# KiCad board keyboard.kicad_pcb (continued)
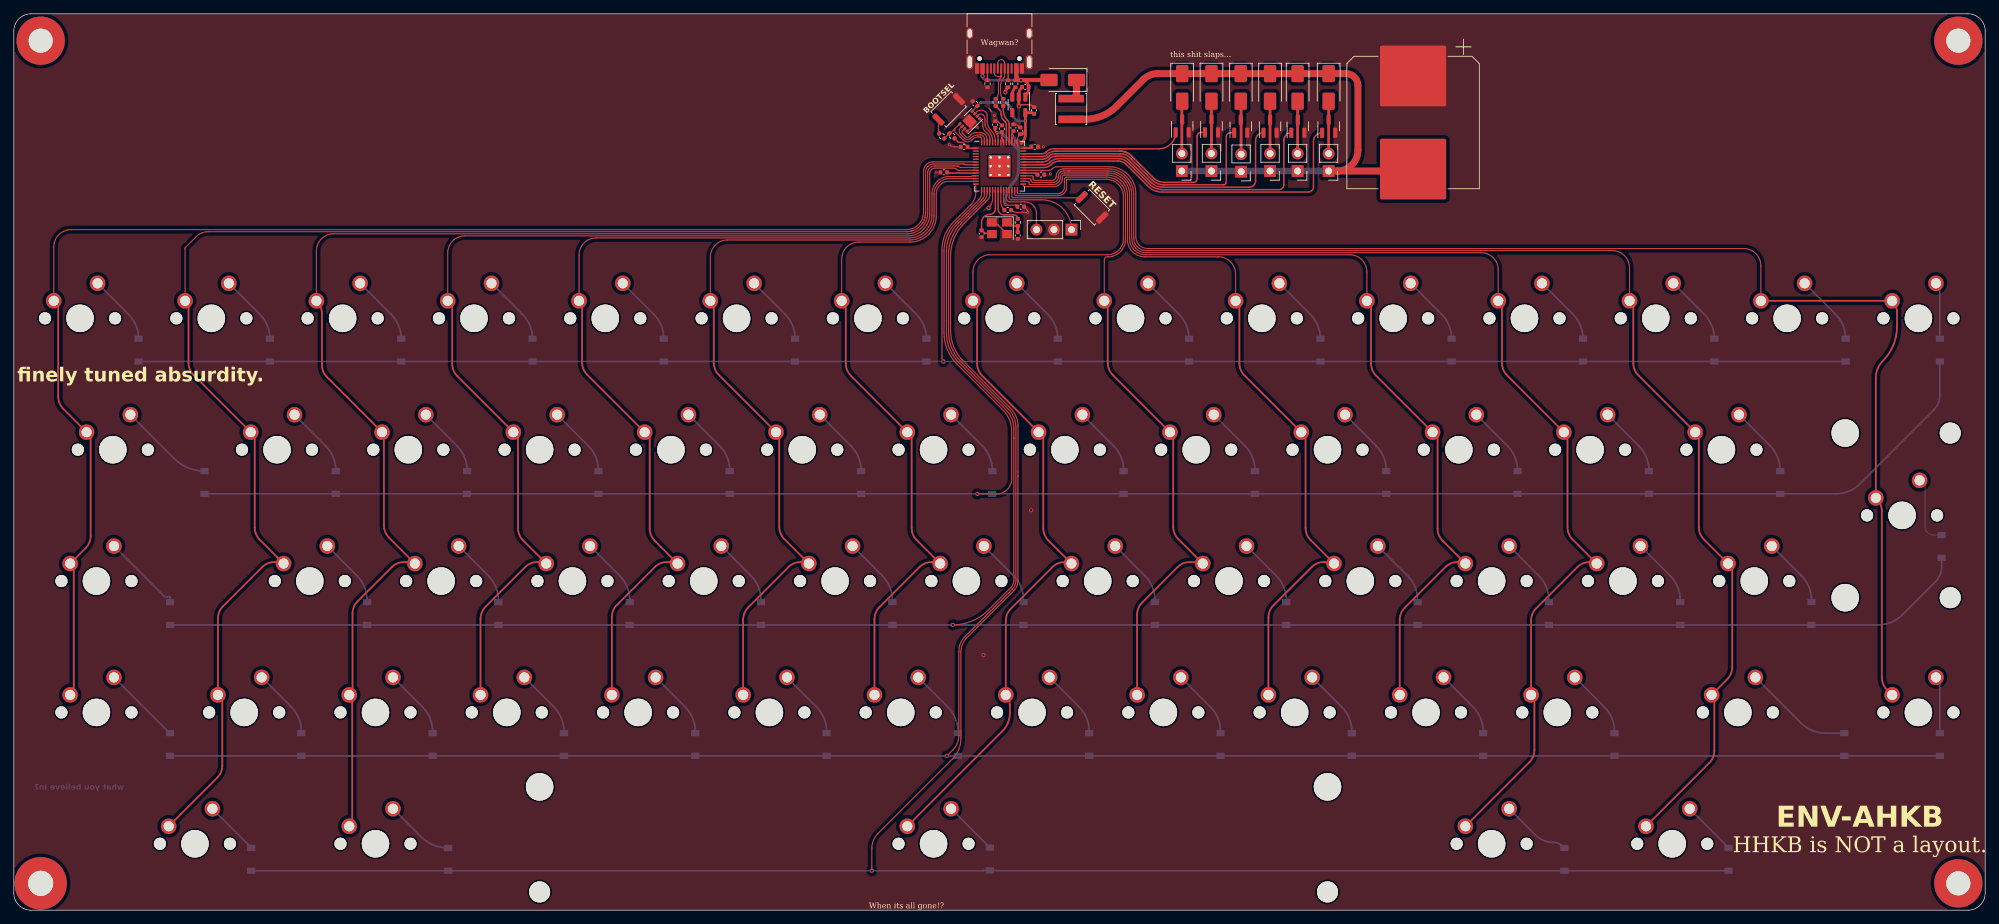
[diagram p0: board, top side]
## Routing (per net, layer and track width the routed paths; a pad name or vN(x,y) marks a point on that pad's centre or on a via; arc(x,y) is an arc through that point)
+1V1: length 26.3
  Top w0.15: v2(142.62,112.8) 142.62,112.58 142.63,112.57 ; 142.63,112.57 142.72,112.47 arc(142.78,112.39) 142.8,112.29 U101.50 ; 142.63,112.57 142.61,112.59 arc(142.44,112.84) 142.38,113.14 ; U101.23 143.6,102.8 arc(143.76,102.41) 144.15,102.25 145.38,102.25 arc(145.54,102.19) C3.1 145.41,102.22 145.26,102.22 ; U101.45 144.8,112.01
  Top w0.2: U101.23 143.6,103.81 ; 142.38,113.55 142.38,113.04 v2(142.62,112.8) ; v2(144.93,112.27) arc(144.83,112.13) 144.8,111.96 U101.45 144.8,112.47 arc(144.86,112.76) C2.1
  Bottom w0.4: 145.78,110.22 145.78,107.51 arc(145.55,106.37) 144.91,105.41 arc(144.3,104.57) 143.96,103.59 v2(143.81,102.36) ; 145.78,110.22 143.61,112.39 arc(143.15,112.69) v2(142.62,112.8) ; 145.78,110.22 arc(145.56,111.33) v2(144.93,112.27)
+3V3: length 36.9
  Top w0.15: U101.22 143.2,102.77 arc(143.33,102.1) C7.1 ; C5.1 146,112.52 145.79,112.31 arc(145.65,111.99) 145.6,111.64 U101.43 ; v2(140.3,117.15) 139.79,116.64 arc(139.79,116.64) C1.1 139.09,115.94 arc(139.07,115.9) U103.8
  Top w0.2: C10.1 135.5,106.9 U101.10 ; U101.42 147.32,110.5 arc(147.53,110.59) 147.62,110.8 ; U101.42 147.08,110.5 arc(147.37,110.56) C12.1 ; U101.42 147.32,110.5 arc(147.57,110.6) 147.68,110.85 ; R1.2 137,111.4 arc(137.06,111.36) 137.12,111.35 137.45,111.35 arc(137.68,111.3) 137.88,111.17 138.3,110.75 arc(138.36,110.66) 138.38,110.55 arc(138.39,110.51) 138.43,110.5 U101.1 ; C11.1 148.3,106.9 U101.33 ; C6.1 143.34,111.97 arc(143.41,111.63) U101.48
  Top w0.4: 146.15,111.2 146.26,111.31 arc(146.62,111.85) 146.75,112.5 146.75,113.09 ; C5.1 146.21,112.55 arc(146.59,112.71) 146.75,113.09 ; 146.75,113.09 v2(146.75,114.45) U1.5 147.63,115.66 arc(147.85,115.62) C17.1
  Bottom w0.4: v2(146.75,114.45) 146,114.45 arc(145.22,114.77) 144.9,115.55 arc(144.43,116.68) 143.3,117.15 v2(140.3,117.15)
GND: length 21.8
  Top w0.15: U101.19 142,103.24 arc(141.85,102.48) v1(141.42,101.84) ; v2(139.86,113.52) 139.61,113.52 arc(138.9,113.38) U103.4 ; C3.2 146.89,101.7 arc(147.04,101.47) v2(147.1,101.19) 145.51,101.19 arc(145.06,101.28) C7.2 ; C5.2 145.92,113.59 arc(145.51,113.86) C2.2 ; C8.2 136.5,110.7 arc(136.07,110.79) v2(135.7,111.03) ; C6.2 142.98,114.17 arc(142.7,114.35) C4.2
  Top w0.2: 141.83,115.82 141.48,116.31 ; Y1.4 142.75,99.4 arc(142.36,99.66) Y1.2 ; v1(145.8,116.57) arc(146.08,116.76) 146.4,116.82 147.14,116.82 arc(147.62,116.73) C17.2
  Top w0.4: R5.2 144.09,119.18 arc(143.91,118.91) v1(143.85,118.6) ; v1(145.8,116.57) U1.2 145.8,118.24 arc(145.92,118.85) C16.2
  vias: v1(140.67,36.98) v1(147.6,58.01) v2(133.8,107.05) v2(142.25,115.25) v2(149.35,110.72) v2(150.38,106.8)
VBUS: length 19
  Top w0.4: 140.55,122.06 v1(140.55,120.97) ; 145.45,122.06 145.45,120.72 arc(145.41,120.53) R7.2 146.11,120.36 v1(146.12,120.38) 146.14,120.36 146.25,120.36 arc(146.94,120.07) C16.1 147.23,119.05 arc(147.16,118.69) 146.95,118.38 146.92,118.34 arc(146.79,118.16) U1.1
  Top w0.6: 145.45,122.06 145.45,120.94 arc(145.62,120.54) 146.01,120.38 v1(146.12,120.38) arc(146.13,120.39) 146.15,120.4 D1.2
  Bottom w0.4: v1(146.12,120.38) 141.15,120.38 arc(140.73,120.55) v1(140.55,120.97)
/QSPI_SS: length 9.1
  Top w0.15: 136.62,113.43 U103.1 ; 136.62,113.43 135.95,112.75 arc(135.85,112.68) R1.1 ; 136.62,113.43 arc(136.5,113.12) 136.62,112.81 137.74,111.69 arc(138.36,111.43) 138.98,111.69 139.06,111.77 arc(139.47,112.04) 139.95,112.14 140.15,112.14 arc(140.33,112.07) 140.4,111.89 U101.56 ; R8.2 135.47,112.4 arc(135.59,112.59) 135.64,112.81
/USB_D+: length 7.7
  Top w0.15: R2.2 142.47,117.68 arc(142.75,118.1) 142.85,118.6 142.85,120.15 142.85,120.23 142.89,120.38 142.97,120.52 143.03,120.58 143.07,120.62 143.13,120.68 143.21,120.82 143.25,120.97 143.25,121.05 143.25,122.06 143.25,120.9 142.75,120.9 arc(142.4,121.05) 142.25,121.4 142.25,122.06
/USB_D-: length 7.8
  Top w0.15: 142.75,122.06 142.75,122.85 arc(142.9,123.2) 143.25,123.35 arc(143.6,123.2) 143.75,122.85 143.75,121 arc(143.72,120.84) 143.62,120.7 arc(143.3,120.23) 143.15,119.68 143.15,118.62 arc(143.26,118.1) R3.2
col0: length 212
  Top w0.15: K_0.1 5.8,96.2 arc(6.53,97.97) 8.3,98.7 129.47,98.7 arc(131.24,99.43) 131.97,101.2 131.97,107.17 arc(132.37,108.13) 133.33,108.52 139.54,108.52 arc(139.56,108.52) U101.6
  Top w0.25: K_42.1 8.7,31.74 8.7,49.76 K_29.1 10.42,52.51 arc(10.96,53.32) 11.15,54.28 11.15,68.74 7.18,72.71 arc(6.64,73.52) 6.45,74.47 6.45,87.72 K_0.1
col1: length 221.8
  Top w0.15: K_1.1 24.85,95.88 arc(24.85,95.9) 24.85,95.92 24.85,96.06 26.46,97.67 arc(27.27,98.21) 28.22,98.4 129.51,98.4 arc(129.53,98.4) 129.55,98.4 129.57,98.4 arc(129.7,98.41) 129.83,98.42 129.88,98.42 arc(130.03,98.45) 130.17,98.48 130.2,98.49 arc(130.35,98.53) 130.49,98.58 130.52,98.59 arc(130.66,98.64) 130.79,98.71 130.82,98.72 arc(130.95,98.8) 131.08,98.88 131.23,98.98 131.53,99.29 arc(131.69,99.46) 131.82,99.64 131.88,99.72 131.97,99.88 arc(132.03,100.02) 132.09,100.16 132.1,100.18 arc(132.15,100.33) 132.19,100.47 132.2,100.5 arc(132.23,100.65) 132.25,100.8 132.26,100.85 arc(132.27,100.98) 132.27,101.11 132.27,101.12 arc(132.27,101.14) 132.28,101.16 132.28,107.01 arc(132.63,107.87) 133.49,108.22 137.78,108.22 arc(137.84,108.21) 137.9,108.17 arc(137.98,108.12) 138.08,108.1 U101.7
  Top w0.25: 38.92,50.49 K_30.1 ; 38.92,50.49 37.8,50.49 arc(36.84,50.3) 36.03,49.76 30.34,44.07 arc(29.8,43.26) 29.61,42.3 K_43.1 30.25,30.59 30.25,20.99 arc(30.06,20.04) 29.52,19.22 K_56.1 ; 38.92,50.49 35.68,53.73 arc(35.14,54.54) 34.95,55.5 34.95,68.75 26.08,77.62 arc(25.54,78.43) 25.35,79.39 25.35,87.87 K_1.1
col2: length 199.9
  Top w0.15: K_2.1 43.9,95.6 arc(44.63,97.37) 46.4,98.1 129.6,98.1 arc(131.7,98.97) 132.57,101.08 132.57,106.91 arc(132.87,107.63) 133.59,107.92 136.9,107.92 arc(136.97,107.91) 137.03,107.88 arc(137.22,107.75) 137.45,107.7 U101.8
  Top w0.25: 57.97,50.49 56.6,50.49 arc(55.64,50.3) 54.83,49.76 49.87,44.8 arc(49.33,43.99) 49.14,43.03 49.14,31.7 K_44.1 49.1,30.79 49.1,12.61 K_57.1 ; 57.97,50.49 K_31.1 ; 57.97,50.49 54.43,54.03 arc(53.89,54.84) 53.7,55.8 53.7,69.05 45.43,77.32 arc(44.89,78.13) 44.7,79.09 44.7,86.54 arc(44.51,87.5) 43.97,88.31 K_2.1
col3: length 161.1
  Top w0.15: U101.9 137.11,107.3 arc(136.92,107.34) 136.75,107.45 arc(136.56,107.58) 136.33,107.62 133.66,107.62 arc(133.1,107.4) 132.88,106.84 132.88,100.95 arc(131.95,98.72) 129.73,97.8 65.45,97.8 arc(63.68,97.07) 62.95,95.3 K_3.1
  Top w0.25: 77.02,50.49 K_32.1 ; 77.02,50.49 73.88,53.63 arc(73.34,54.44) 73.15,55.4 73.15,68.65 64.33,77.47 arc(63.79,78.28) 63.6,79.24 63.6,87.72 K_3.1 ; 77.02,50.49 75.95,50.49 arc(74.99,50.3) 74.18,49.76 68.44,44.02 arc(67.9,43.21) 67.71,42.25 K_45.1
col4: length 140.1
  Top w0.15: K_4.1 82,95 arc(82.73,96.77) 84.5,97.5 129.91,97.5 arc(132.24,98.46) 133.2,100.79 133.2,103.9 arc(133.93,105.67) 135.7,106.4 138.86,106.4 arc(138.9,106.41) 138.93,106.42 arc(139.01,106.48) 139.11,106.5 U101.11
  Top w0.25: 96.07,50.49 94.75,50.49 arc(93.79,50.3) 92.98,49.76 87.49,44.27 arc(86.95,43.46) 86.76,42.5 K_46.1 ; 96.07,50.49 92.98,53.58 arc(92.44,54.39) 92.25,55.35 92.25,68.6 83.18,77.67 arc(82.64,78.48) 82.45,79.44 82.45,87.92 K_4.1 ; 96.07,50.49 K_33.1
col5: length 120.6
  Top w0.15: K_5.1 101.05,94.7 arc(101.78,96.47) 103.55,97.2 129.99,97.2 arc(132.47,98.23) 133.5,100.71 133.5,103.83 arc(134.17,105.43) 135.77,106.1 U101.12
  Top w0.25: 115.12,50.49 111.78,53.83 arc(111.24,54.64) 111.05,55.6 111.05,68.85 102.28,77.62 arc(101.74,78.43) 101.55,79.39 101.55,87.87 K_5.1 ; 115.12,50.49 114.15,50.49 arc(113.19,50.3) 112.38,49.76 106.54,43.92 arc(106,43.11) 105.81,42.15 K_47.1 ; 115.12,50.49 K_34.1
col6: length 101.2
  Top w0.15: U101.13 135.65,105.7 arc(134.36,105.17) 133.82,103.87 133.82,100.67 arc(132.72,98) 130.06,96.9 122.6,96.9 arc(120.83,96.17) 120.1,94.4 K_6.1
  Top w0.25: 134.17,50.49 133.15,50.49 arc(132.19,50.3) 131.38,49.76 125.59,43.97 arc(125.05,43.16) 124.86,42.2 K_48.1 ; 134.17,50.49 K_35.1 ; 134.17,50.49 130.98,53.68 arc(130.44,54.49) 130.25,55.45 130.25,68.7 121.43,77.52 arc(120.89,78.33) 120.7,79.29 120.7,87.77 K_6.1
col7: length 147.7
  Top w0.15: K_7.1 139.15,92.56 arc(139.88,94.33) 141.65,95.06 158.7,95.06 arc(160.3,95.73) 160.97,97.33 160.97,103.5 arc(160.24,105.27) 158.47,106 152.79,106 arc(152.74,105.98) 152.72,105.93 152.72,104.8 arc(152.38,103.97) 151.54,103.62 145.4,103.62 arc(145.26,103.68) 145.2,103.82 U101.27
  Top w0.25: 153.22,50.49 150.08,53.63 arc(149.54,54.44) 149.35,55.4 149.35,68.65 140.48,77.52 arc(139.94,78.33) 139.75,79.29 139.75,87.77 K_7.1 ; 153.22,50.49 152.45,50.49 arc(151.49,50.3) 150.68,49.76 144.64,43.72 arc(144.1,42.91) 143.91,41.95 K_49.1 arc(144.35,30.57) 144.5,29.81 144.5,28.57 arc(144.22,27.17) 143.42,25.97 K_58.1 ; 153.22,50.49 K_36.1
col8: length 104.8
  Top w0.15: U101.28 145.6,104.1 arc(145.65,103.98) 145.78,103.92 151.47,103.92 arc(152.14,104.2) 152.42,104.88 152.42,106.01 arc(152.51,106.22) 152.72,106.31 158.54,106.31 arc(160.47,105.51) 161.27,103.58 161.27,97.26 arc(160.54,95.49) 158.77,94.76 158.64,94.76 arc(158.33,94.63) 158.2,94.32 K_8.1
  Top w0.25: 172.27,50.49 168.93,53.83 arc(168.39,54.64) 168.2,55.6 168.2,68.85 159.43,77.62 arc(158.89,78.43) 158.7,79.39 158.7,87.87 K_8.1 ; 172.27,50.49 170.6,50.49 arc(169.64,50.3) 168.83,49.76 163.69,44.62 arc(163.15,43.81) 162.96,42.85 K_50.1 ; 172.27,50.49 K_37.1
col9: length 115
  Top w0.15: U101.29 146.44,105.2 arc(146.51,105.02) 146.7,104.94 150.91,104.94 arc(151.77,105.29) 152.12,106.15 152.12,106.33 arc(152.2,106.53) 152.4,106.61 158.64,106.61 arc(160.71,105.75) 161.57,103.68 161.57,97.26 arc(162.3,95.49) 164.07,94.76 174.75,94.76 arc(176.52,94.03) 177.25,92.26 K_9.1
  Top w0.25: K_9.1 177.8,87.82 177.8,79.34 arc(177.99,78.38) 178.53,77.57 187.4,68.7 187.4,55.45 arc(187.59,54.49) 188.13,53.68 191.32,50.49 ; 191.32,50.49 K_38.1 ; 191.32,50.49 190.05,50.49 arc(189.09,50.3) 188.28,49.76 182.74,44.22 arc(182.2,43.41) 182.01,42.45 K_51.1
col10: length 134.2
  Top w0.15: K_10.1 196.3,92.56 arc(195.57,94.33) 193.8,95.06 164.17,95.06 arc(162.54,95.73) 161.87,97.36 161.87,103.78 arc(160.95,105.99) 158.74,106.91 152.39,106.91 arc(151.99,106.74) 151.82,106.34 151.82,106.23 arc(151.53,105.53) 150.83,105.24 147.44,105.24 arc(147.33,105.29) 147.28,105.4 147.28,105.53 arc(147.23,105.65) 147.11,105.7 U101.30
  Top w0.25: K_10.1 196.9,87.77 196.9,79.29 arc(197.09,78.33) 197.63,77.52 206.55,68.6 206.55,55.35 arc(206.74,54.39) 207.28,53.58 210.37,50.49 ; K_52.1 201.06,42.1 arc(201.25,43.06) 201.79,43.87 207.68,49.76 arc(208.49,50.3) 209.45,50.49 210.37,50.49 ; 210.37,50.49 K_39.1
col11: length 177
  Top w0.15: K_11.1 215.35,92.86 arc(214.62,94.63) 212.85,95.36 164.23,95.36 arc(162.77,95.96) 162.17,97.42 162.17,103.78 arc(161.17,106.21) 158.74,107.21 153.12,107.21 ; 153.12,107.21 152.94,107.21 ; 153.12,107.21 153.12,107.21 152.33,107.21 arc(151.76,106.97) 151.52,106.4 151.52,106.3 arc(151.3,105.76) 150.76,105.54 147.8,105.54 arc(147.64,105.6) 147.58,105.76 147.58,105.87 arc(147.51,106.03) 147.35,106.1 U101.31
  Top w0.25: 229.42,50.49 226.13,53.78 arc(225.59,54.59) 225.4,55.55 225.4,68.8 216.63,77.57 arc(216.09,78.38) 215.9,79.34 215.9,87.82 K_11.1 ; 229.42,50.49 K_40.1 ; 229.42,50.49 228.6,50.49 arc(227.64,50.3) 226.83,49.76 220.84,43.77 arc(220.3,42.96) 220.11,42 K_53.1 220.6,30.74 220.6,23.22 arc(220.41,22.27) 219.87,21.46 K_59.1
col12: length 192.5
  Top w0.15: K_12.1 234.4,93.16 arc(233.67,94.93) 231.9,95.66 164.29,95.66 arc(163,96.19) 162.47,97.48 162.47,103.79 arc(161.38,106.43) 158.74,107.52 152.31,107.52 arc(151.54,107.2) 151.22,106.43 arc(151.05,106.01) 150.63,105.84 148.11,105.84 arc(147.95,105.91) 147.88,106.07 147.88,106.32 arc(147.83,106.45) 147.7,106.5 U101.32
  Top w0.25: K_60.1 245.97,21.36 arc(246.51,22.17) 246.7,23.13 246.7,30.83 K_54.1 248.57,33.49 arc(249.11,34.3) 249.3,35.25 249.3,49.66 K_41.1 245.18,53.78 arc(244.64,54.59) 244.45,55.55 244.45,68.8 235.68,77.57 arc(235.14,78.38) 234.95,79.34 234.95,87.82 K_12.1
col13: length 201.1
  Top w0.15: K_13.1 253.45,93.46 arc(252.72,95.23) 250.95,95.96 164.46,95.96 arc(163.27,96.46) 162.77,97.65 162.77,103.95 arc(161.64,106.69) 158.9,107.82 151.37,107.82 arc(150.98,107.74) 150.65,107.52 arc(150.4,107.36) 150.12,107.3 U101.34
  Top w0.25: K_13.1 K_14.1 arc(273.02,87.6) 273.2,86.69 273.2,84.62 arc(272.67,81.95) 271.15,79.67 arc(270.4,78.55) 270.13,77.21 K_28.1 270.27,59.66 arc(270.81,58.85) 271,57.89 271,33.76 arc(271.19,32.8) 271.73,31.99 K_55.1
QSPI_SCLK: length 5.4
  Top w0.15: U101.52 142,111.53 142,111.68 141.96,111.98 141.88,112.27 141.77,112.55 141.62,112.8 141.43,113.04 141.33,113.15 141.14,113.34 arc(140.95,113.62) 140.89,113.95 140.89,114.73 arc(140.83,115.05) 140.65,115.31 140.63,115.33 arc(140.29,115.47) 139.94,115.33 U103.6
QSPI_SD0: length 4
  Top w0.15: U101.53 141.6,111.87 arc(141.52,112.25) 141.31,112.57 140.86,113.02 arc(140.64,113.34) 140.57,113.72 140.57,114.26 arc(140.55,114.34) 140.51,114.42 U103.5
QSPI_SD1: length 6.2
  Top w0.15: U101.55 140.8,111.87 arc(140.63,112.28) 140.22,112.45 140.02,112.45 arc(139.34,112.32) 138.77,111.93 138.74,111.91 arc(138.35,111.75) 137.96,111.91 137.34,112.53 arc(137.15,113) 137.34,113.47 137.56,113.69 U103.2
QSPI_SD2: length 5.9
  Top w0.15: U101.54 141.2,111.72 arc(141.11,112.16) 140.86,112.54 arc(140.59,112.72) 140.28,112.78 139.7,112.78 arc(139.23,112.69) 138.83,112.42 138.54,112.13 arc(138.36,112.06) 138.19,112.13 137.64,112.68 arc(137.57,112.85) 137.64,113.03 U103.3
QSPI_SD3: length 6.6
  Top w0.15: U101.51 142.4,111.65 arc(142.25,112.4) 141.83,113.03 141.82,113.04 141.67,113.24 arc(141.33,113.75) 141.21,114.34 141.21,115.31 arc(141.16,115.54) 141.03,115.74 arc(140.34,116.03) 139.65,115.74 U103.7
row0: length 275.1
  Top w0.15: U101.14 139.56,104.12 arc(139.36,103.12) 138.8,102.27 136.32,99.8 arc(135.09,97.94) 134.65,95.76 134.65,80.06 arc(134.7,79.8) v1(134.85,79.57)
  Bottom w0.25: D_0.1 D_1.1 D_2.1 D_3.1 D_4.1 D_5.1 D_6.1 v1(134.85,79.57) D_7.1 D_8.1 D_9.1 D_10.1 D_11.1 D_12.1 D_13.1
row1: length 316.7
  Top w0.15: v1(139.78,60.38) 142.62,60.38 arc(144.13,61) 144.76,62.51 144.76,69.52 arc(144.44,71.14) 143.52,72.51 136.83,79.2 arc(135.44,81.28) 134.95,83.74 134.95,95.57 arc(135.39,97.79) 136.65,99.67 140.03,103.05 arc(140.3,103.47) 140.4,103.96 U101.15
  Bottom w0.25: 27.66,60.38 v1(139.78,60.38) 264.3,60.38 arc(266.22,60.76) 267.84,61.84 278.54,72.54 arc(279.19,73.51) 279.42,74.66 D_14.1
row2: length 336.2
  Top w0.15: U101.16 140.8,103.76 arc(140.73,103.43) 140.54,103.14 136.97,99.57 arc(135.73,97.72) 135.3,95.53 135.3,85.5 135.3,85.5 135.3,83.74 arc(135.77,81.39) 137.09,79.41 143.93,72.57 arc(144.78,71.3) 145.07,69.8 145.07,68.37 ; 145.07,68.37 145.07,47.82 arc(144.96,47.27) 144.65,46.8 141.35,43.5 arc(139,41.93) v1(136.22,41.38) ; 145.07,68.37 145.07,68.58
  Bottom w0.25: 22.67,41.38 v1(136.22,41.38) 270.45,41.38 arc(272.37,41.76) 273.99,42.84 278.8,47.65 arc(279.45,48.62) 279.68,49.77 D_28.1
row3: length 348.3
  Top w0.15: v1(135.38,22.38) 136.22,23.22 arc(136.87,24.2) 137.1,25.35 137.1,37.55 arc(137.33,38.7) 137.98,39.68 144.88,46.58 arc(145.25,47.13) 145.38,47.79 145.38,69.98 arc(145.09,71.45) 144.26,72.69 137.42,79.53 arc(136.07,81.55) 135.6,83.92 135.6,95.1 arc(136.09,97.55) 137.48,99.63 140.76,102.91 arc(141.09,103.4) 141.2,103.97 U101.17
  Bottom w0.25: D_42.1 D_43.1 D_44.1 D_45.1 D_46.1 D_47.1 v1(135.38,22.38) D_48.1 D_49.1 D_50.1 D_51.1 D_52.1 D_53.1 D_54.1 D_55.1
row4: length 327.1
  Top w0.15: U101.18 141.6,103.75 arc(141.52,103.36) 141.3,103.03 137.87,99.59 arc(136.41,97.41) 135.9,94.85 135.9,85.28 ; 135.9,85.28 135.9,84.08 arc(136.38,81.69) 137.73,79.66 144.63,72.76 arc(145.41,71.59) 145.68,70.22 145.68,63.54 145.69,62.97 145.68,62.96 145.68,47.75 arc(145.53,46.99) 145.1,46.35 138.26,39.51 arc(137.62,38.56) 137.4,37.43 137.4,24.92 arc(137.08,23.28) 136.15,21.9 125.36,11.11 arc(124.7,10.13) 124.47,8.98 v1(124.47,5.72) ; 135.9,85.28 135.9,85.2
  Bottom w0.25: D_60.1 D_59.1 142.58,5.72 142.53,5.78 140.67,5.78 140.62,5.72 v1(124.47,5.72) D_57.1 D_56.1
SOL1: length 23.7
  Top w0.2: U101.40 149.18,109.7 arc(149.48,109.76) 149.72,109.92 arc(150.28,110.3) 150.93,110.42 166.18,110.42 arc(167.85,111.12) Q2.1
SOL2: length 36.9
  Top w0.2: 160.49,110.07 151.12,110.07 arc(150.43,109.94) 149.85,109.55 arc(149.57,109.36) 149.25,109.3 U101.39 ; 160.49,110.07 arc(161.4,109.89) 162.18,109.38 ; 160.49,110.07 arc(161.4,109.89) 162.18,109.37 162.5,109.05 162.5,109.05 165.38,106.17 arc(166.07,105.71) 166.88,105.55 171.15,105.55 arc(171.52,105.7) 171.68,106.07 171.68,112.25 arc(171.84,112.64) 172.22,112.8 Q1.1
SOL3: length 39.7
  Top w0.2: Q3.1 176.45,112.75 arc(176.06,112.59) 175.9,112.2 175.9,105.55 arc(175.8,105.3) 175.55,105.2 166.84,105.2 arc(165.93,105.38) 165.15,105.9 162.15,108.9 162.15,108.9 161.96,109.1 arc(161.29,109.54) 160.5,109.7 160.5,109.7 151.12,109.7 arc(150.55,109.59) 150.06,109.26 150.03,109.22 arc(149.67,108.98) 149.24,108.9 U101.38
SOL4: length 43.8
  Top w0.2: U101.37 149.16,108.5 arc(149.75,108.62) 150.25,108.95 arc(150.7,109.25) 151.22,109.35 160.34,109.35 arc(161.13,109.2) 161.8,108.75 164.99,105.56 arc(165.78,105.03) 166.7,104.85 179.25,104.85 arc(179.89,105.11) 180.15,105.75 180.15,111.6 arc(180.49,112.41) Q4.1
SOL5: length 48.3
  Top w0.2: U101.36 149.46,108.1 arc(149.91,108.19) 150.3,108.45 arc(150.91,108.86) 151.63,109 160.27,109 arc(160.99,108.86) 161.6,108.45 164.77,105.28 arc(165.63,104.7) 166.65,104.5 183.55,104.5 arc(184.04,104.71) 184.25,105.2 184.25,111.68 arc(184.56,112.44) 185.32,112.75
SOL6: length 53
  Top w0.2: U101.35 149.41,107.7 arc(150,107.82) 150.5,108.15 arc(151.05,108.52) 151.71,108.65 160.19,108.65 arc(160.85,108.52) 161.4,108.15 162.5,107.05 162.5,107.05 164.59,104.96 arc(165.49,104.36) 166.55,104.15 187.79,104.15 arc(188.33,104.37) 188.55,104.91 188.55,111.5 arc(188.92,112.38) Q6.1
Net-(C14-Pad2): length 2.6
  Top w0.2: R4.1 145.34,99.24 arc(144.67,99.37) Y1.1
  Top w0.4: C14.2 R4.1
Net-(D1-K): length 3.1
  Top w1: D1.1 154.18,118.48 arc(153.95,117.93) L1.1
Net-(D2-A): length 7.6
  Top w0.4: 173.75,117.32 S1.2
Net-(D2-K): length 92.7
  Top w1: 169.5,121.33 190.75,121.33 arc(190.75,121.32) D7.1 193.28,121.32 arc(194.49,120.82) 195,119.6 195,110.2 arc(194.12,108.08) 192,107.2 ; 192,107.2 202.72,107.2 arc(202.92,107.28) C9.2 ; 192,107.2 S5.1 ; L1.2 155.41,114.7 arc(157.9,115.19) 160,116.6 163.88,120.48 arc(164.82,121.11) 165.92,121.32 D3.1
  Bottom w1: S6.1 S5.1
Net-(D3-A): length 7.6
  Top w0.4: 169.5,117.33 169.45,117.28 S6.2
Net-(D4-A): length 7.7
  Top w0.4: S2.2 178.05,117.28 D4.2
Net-(D5-A): length 7.6
  Top w0.4: S3.2 D5.2
Net-(D6-A): length 7.6
  Top w0.4: S4.2 D6.2
Net-(D7-A): length 12.5
  Top w0.15: Q6.3 S5.2
  Top w0.4: S5.2 D7.2
Net-(D_0-A): length 10.3
  Bottom w0.25: K_0.2 16.64,86.43 arc(17.72,84.81) 18.1,82.89 D_0.2
Net-(D_1-A): length 10.3
  Bottom w0.25: D_1.2 37.15,82.89 arc(36.77,84.81) 35.69,86.43 K_1.2
Net-(D_2-A): length 10.3
  Bottom w0.25: D_2.2 56.2,82.89 arc(55.82,84.81) 54.74,86.43 K_2.2
Net-(D_3-A): length 10.3
  Bottom w0.25: K_3.2 73.79,86.43 arc(74.87,84.81) 75.25,82.89 D_3.2
Net-(D_4-A): length 10.3
  Bottom w0.25: K_4.2 92.84,86.43 arc(93.92,84.81) 94.3,82.89 D_4.2
Net-(D_5-A): length 10.3
  Bottom w0.25: K_5.2 111.89,86.43 arc(112.97,84.81) 113.35,82.89 D_5.2
Net-(D_6-A): length 10.3
  Bottom w0.25: D_6.2 132.4,82.89 arc(132.02,84.81) 130.94,86.43 K_6.2
Net-(D_7-A): length 10.3
  Bottom w0.25: K_7.2 149.99,86.43 arc(151.07,84.81) 151.45,82.89 D_7.2
Net-(D_8-A): length 10.3
  Bottom w0.25: D_8.2 170.5,82.89 arc(170.12,84.81) 169.04,86.43 K_8.2
Net-(D_9-A): length 10.3
  Bottom w0.25: K_9.2 188.09,86.43 arc(189.17,84.81) 189.55,82.89 D_9.2
Net-(D_10-A): length 10.3
  Bottom w0.25: D_10.2 208.6,82.89 arc(208.22,84.81) 207.14,86.43 K_10.2
Net-(D_11-A): length 10.3
  Bottom w0.25: D_11.2 227.65,82.89 arc(227.27,84.81) 226.19,86.43 K_11.2
Net-(D_12-A): length 10.3
  Bottom w0.25: D_12.2 246.7,82.89 arc(246.32,84.81) 245.24,86.43 K_12.2
Net-(D_13-A): length 10.3
  Bottom w0.25: K_13.2 264.29,86.43 arc(265.37,84.81) 265.75,82.89 D_13.2
Net-(D_14-A): length 8.3
  Bottom w0.25: K_14.2 279.42,90.34 D_14.2
Net-(D_15-A): length 13.9
  Bottom w0.25: K_15.2 23.29,65.48 arc(25.3,64.14) D_15.2
Net-(D_16-A): length 10.5
  Bottom w0.25: K_16.2 45.25,67.34 arc(46.33,65.72) 46.71,63.81 D_16.2
Net-(D_17-A): length 10.5
  Bottom w0.25: K_17.2 64.3,67.34 arc(65.38,65.72) 65.76,63.81 D_17.2
Net-(D_18-A): length 10.5
  Bottom w0.25: K_18.2 83.35,67.34 arc(84.43,65.72) 84.81,63.81 D_18.2
Net-(D_19-A): length 10.5
  Bottom w0.25: K_19.2 102.4,67.34 arc(103.48,65.72) 103.86,63.81 D_19.2
Net-(D_20-A): length 10.5
  Bottom w0.25: K_20.2 121.45,67.34 arc(122.53,65.72) 122.91,63.81 D_20.2
Net-(D_21-A): length 10.5
  Bottom w0.25: K_21.2 140.5,67.34 arc(141.58,65.72) 141.96,63.81 D_21.2
Net-(D_22-A): length 10.5
  Bottom w0.25: D_22.2 161.01,63.81 arc(160.63,65.72) 159.55,67.34 K_22.2
Net-(D_23-A): length 10.5
  Bottom w0.25: D_23.2 180.06,63.81 arc(179.68,65.72) 178.6,67.34 K_23.2
Net-(D_24-A): length 10.5
  Bottom w0.25: K_24.2 197.65,67.34 arc(198.73,65.72) 199.11,63.81 D_24.2
Net-(D_25-A): length 10.5
  Bottom w0.25: K_25.2 216.7,67.34 arc(217.78,65.72) 218.16,63.81 D_25.2
Net-(D_26-A): length 10.5
  Bottom w0.25: K_26.2 235.75,67.34 arc(236.83,65.72) 237.21,63.81 D_26.2
Net-(D_27-A): length 10.5
  Bottom w0.25: K_27.2 254.8,67.34 arc(255.88,65.72) 256.26,63.81 D_27.2
Net-(D_28-A): length 10.3
  Bottom w0.15: D_28.2 278.5,54.4 arc(277.63,54.76) 277.27,55.62 277.27,61.54 arc(277.04,62.11) K_28.2
Net-(D_29-A): length 12
  Bottom w0.25: K_29.2 21.9,45.45 22.67,45.45 D_29.2
Net-(D_30-A): length 10.3
  Bottom w0.25: D_30.2 51.25,44.98 arc(50.87,46.89) 49.79,48.52 K_30.2
Net-(D_31-A): length 10.3
  Bottom w0.25: D_31.2 70.3,44.98 arc(69.92,46.89) 68.84,48.52 K_31.2
Net-(D_32-A): length 10.3
  Bottom w0.25: K_32.2 87.89,48.52 arc(88.97,46.89) 89.35,44.98 D_32.2
Net-(D_33-A): length 10.3
  Bottom w0.25: D_33.2 108.4,44.98 arc(108.02,46.89) 106.94,48.52 K_33.2
Net-(D_34-A): length 10.3
  Bottom w0.25: K_34.2 125.99,48.52 arc(127.07,46.89) 127.45,44.98 D_34.2
Net-(D_35-A): length 10.3
  Bottom w0.25: D_35.2 146.5,44.98 arc(146.12,46.89) 145.04,48.52 K_35.2
Net-(D_36-A): length 10.3
  Bottom w0.25: K_36.2 164.09,48.52 arc(165.17,46.89) 165.55,44.98 D_36.2
Net-(D_37-A): length 10.3
  Bottom w0.25: D_37.2 184.6,44.98 arc(184.22,46.89) 183.14,48.52 K_37.2
Net-(D_38-A): length 10.3
  Bottom w0.25: D_38.2 203.65,44.98 arc(203.27,46.89) 202.19,48.52 K_38.2
Net-(D_39-A): length 10.3
  Bottom w0.25: K_39.2 221.24,48.52 arc(222.32,46.89) 222.7,44.98 D_39.2
Net-(D_40-A): length 10.3
  Bottom w0.25: D_40.2 241.75,44.98 arc(241.37,46.89) 240.29,48.52 K_40.2
Net-(D_41-A): length 10.3
  Bottom w0.25: D_41.2 260.8,44.98 arc(260.42,46.89) 259.34,48.52 K_41.2
Net-(D_42-A): length 11.5
  Bottom w0.25: K_42.2 22.59,25.7 arc(22.62,25.68) D_42.2
Net-(D_43-A): length 10.3
  Bottom w0.25: D_43.2 41.71,25.94 arc(41.33,27.86) 40.25,29.48 K_43.2
Net-(D_44-A): length 10.3
  Bottom w0.25: D_44.2 60.76,25.94 arc(60.38,27.86) 59.3,29.48 K_44.2
Net-(D_45-A): length 10.3
  Bottom w0.25: D_45.2 79.81,25.94 arc(79.43,27.86) 78.35,29.48 K_45.2
Net-(D_46-A): length 10.3
  Bottom w0.25: D_46.2 98.86,25.94 arc(98.48,27.86) 97.4,29.48 K_46.2
Net-(D_47-A): length 10.3
  Bottom w0.25: D_47.2 117.91,25.94 arc(117.53,27.86) 116.45,29.48 K_47.2
Net-(D_48-A): length 10.3
  Bottom w0.25: K_48.2 135.5,29.48 arc(136.58,27.86) 136.96,25.94 D_48.2
Net-(D_49-A): length 10.3
  Bottom w0.25: D_49.2 156.01,25.94 arc(155.63,27.86) 154.55,29.48 K_49.2
Net-(D_50-A): length 10.3
  Bottom w0.25: K_50.2 173.6,29.48 arc(174.68,27.86) 175.06,25.94 D_50.2
Net-(D_51-A): length 10.3
  Bottom w0.25: K_51.2 192.65,29.48 arc(193.73,27.86) 194.11,25.94 D_51.2
Net-(D_52-A): length 10.3
  Bottom w0.25: D_52.2 213.16,25.94 arc(212.78,27.86) 211.7,29.48 K_52.2
Net-(D_53-A): length 10.3
  Bottom w0.25: D_53.2 232.21,25.94 arc(231.83,27.86) 230.75,29.48 K_53.2
Net-(D_54-A): length 16
  Bottom w0.25: D_54.2 262.82,25.67 arc(260.9,26.06) 259.28,27.14 K_54.2
Net-(D_55-A): length 8.3
  Bottom w0.25: K_55.2 279.42,33.19 D_55.2
Net-(D_56-A): length 8
  Bottom w0.25: K_56.2 34.39,9.15 arc(34.42,9.09) D_56.2
Net-(D_57-A): length 10.1
  Bottom w0.25: K_57.2 59.07,10.66 arc(60.88,9.45) D_57.2
Net-(D_58-A): length 8
  Bottom w0.25: K_58.2 141.59,9.1 arc(141.6,9.09) D_58.2
Net-(D_59-A): length 10.1
  Bottom w0.25: D_59.2 224.68,9.28 arc(224.07,9.69) 223.35,9.83 arc(221.94,10.11) 220.74,10.92 K_59.2
Net-(D_60-A): length 8
  Bottom w0.25: K_60.2 248.7,9.15 arc(248.74,9.09) D_60.2
Net-(J1-CC1): length 1.7
  Top w0.2: R5.1 144.25,122.06
Net-(J1-CC2): length 1.7
  Top w0.2: R6.1 141.25,122.06
Net-(J2-Pin_1): length 12.8
  Top w0.15: U101.25 144.4,103.37 arc(144.5,103.13) 144.75,103.02 149.12,103.02 arc(152.17,101.76) J2.1
Net-(J2-Pin_3): length 9.2
  Top w0.15: U101.24 144,103.23 arc(144.15,102.87) 144.51,102.72 146.71,102.72 arc(147.88,102.24) 148.36,101.07 J2.3
Net-(R8-Pad1): length 2.1
  Top w0.15: SW1.2 134.14,112.94 arc(134.17,112.77) R8.1
Net-(U1-EN): length 1.5
  Top w0.4: U1.3 144.85,118.25 arc(144.97,118.84) R7.1
Net-(U101-RUN): length 11.2
  Top w0.15: U101.26 144.8,103.5 arc(144.85,103.38) 144.98,103.32 154.84,103.32 arc(154.9,103.35) SW2.2
Net-(U101-USB_DM): length 5.5
  Top w0.2: R3.1 143.55,116.05 arc(143.71,115.23) 144.18,114.53 arc(144.34,114.29) 144.4,114 U101.46
Net-(U101-USB_DP): length 5.8
  Top w0.2: U101.47 144,113.95 arc(143.96,114.14) 143.85,114.31 143.59,114.57 arc(143.33,114.96) 143.24,115.42 arc(143.16,115.82) 142.94,116.15 R2.1
Net-(U101-XIN): length 8.7
  Top w0.2: U101.20 142.4,101.74 arc(142.15,101.15) 141.56,100.9 arc(140.74,100.56) 140.4,99.74 C15.2 arc(140.99,98.19) 141.68,98.05 Y1.3
Net-(U101-XOUT): length 6.4
  Top w0.2: U101.21 142.8,101.68 arc(143.04,101.09) 143.63,100.85 145.06,100.85 arc(145.48,100.68) R4.2

## Copper pours and planes (outline as drawn; the poured copper is in the pictures)
+3V3 on Top: 145,111.92 145.85,111.92 147.03,110.75 147.03,110.3 145.85,110.3 145.85,107.1 146.88,107.1 146.88,106.7 145.85,106.7 145.85,105.05 143.4,105.05 143.4,104.02 143,104.02 143,105.05 140.15,105.05 140.15,106.7 139.12,106.7 139.12,107.1 140.15,107.1 140.15,110.3 138.97,110.3 138.97,110.75 143,110.75 143,111.92 143.8,111.92 143.8,110.75 145,110.75
GND on Top, Bottom: 286,130.05 286.04,130.04 286.05,130 286.05,0 286.04,-0.04 286,-0.05 0,-0.05 -0.04,-0.04 -0.05,0 -0.05,130 -0.04,130.04 0,130.05

## Text on the board
Bottom: what you believe in?
B.Mask: env | Envious.Design / http://github.com/envious-data/Env-AHKB
B.Silkscreen: UGLY | U Gotta Love Yourself!
F.Silkscreen: When its all gone!? | this shit slaps... | Wagwan? | BOOTSEL | RESET | finely tuned absurdity. | HHKB is NOT a layout. | ENV-AHKB
